# Altium PCB NUCLEOG431RB-Custom-IN-A2212.PcbDoc (part 4 of 5)
Units mm, origin at the board's own origin, x right, y up, seen from the top; angles counter-clockwise.
Board outline 170 x 108 mm, 4 copper layers (Top Layer, POWER1, POWER2, Bottom Layer), stack 1.746 mm thick; 529 components, 254 nets, 1242 pads, 583 vias.
Unrouted connection lines stored in the file: 26.
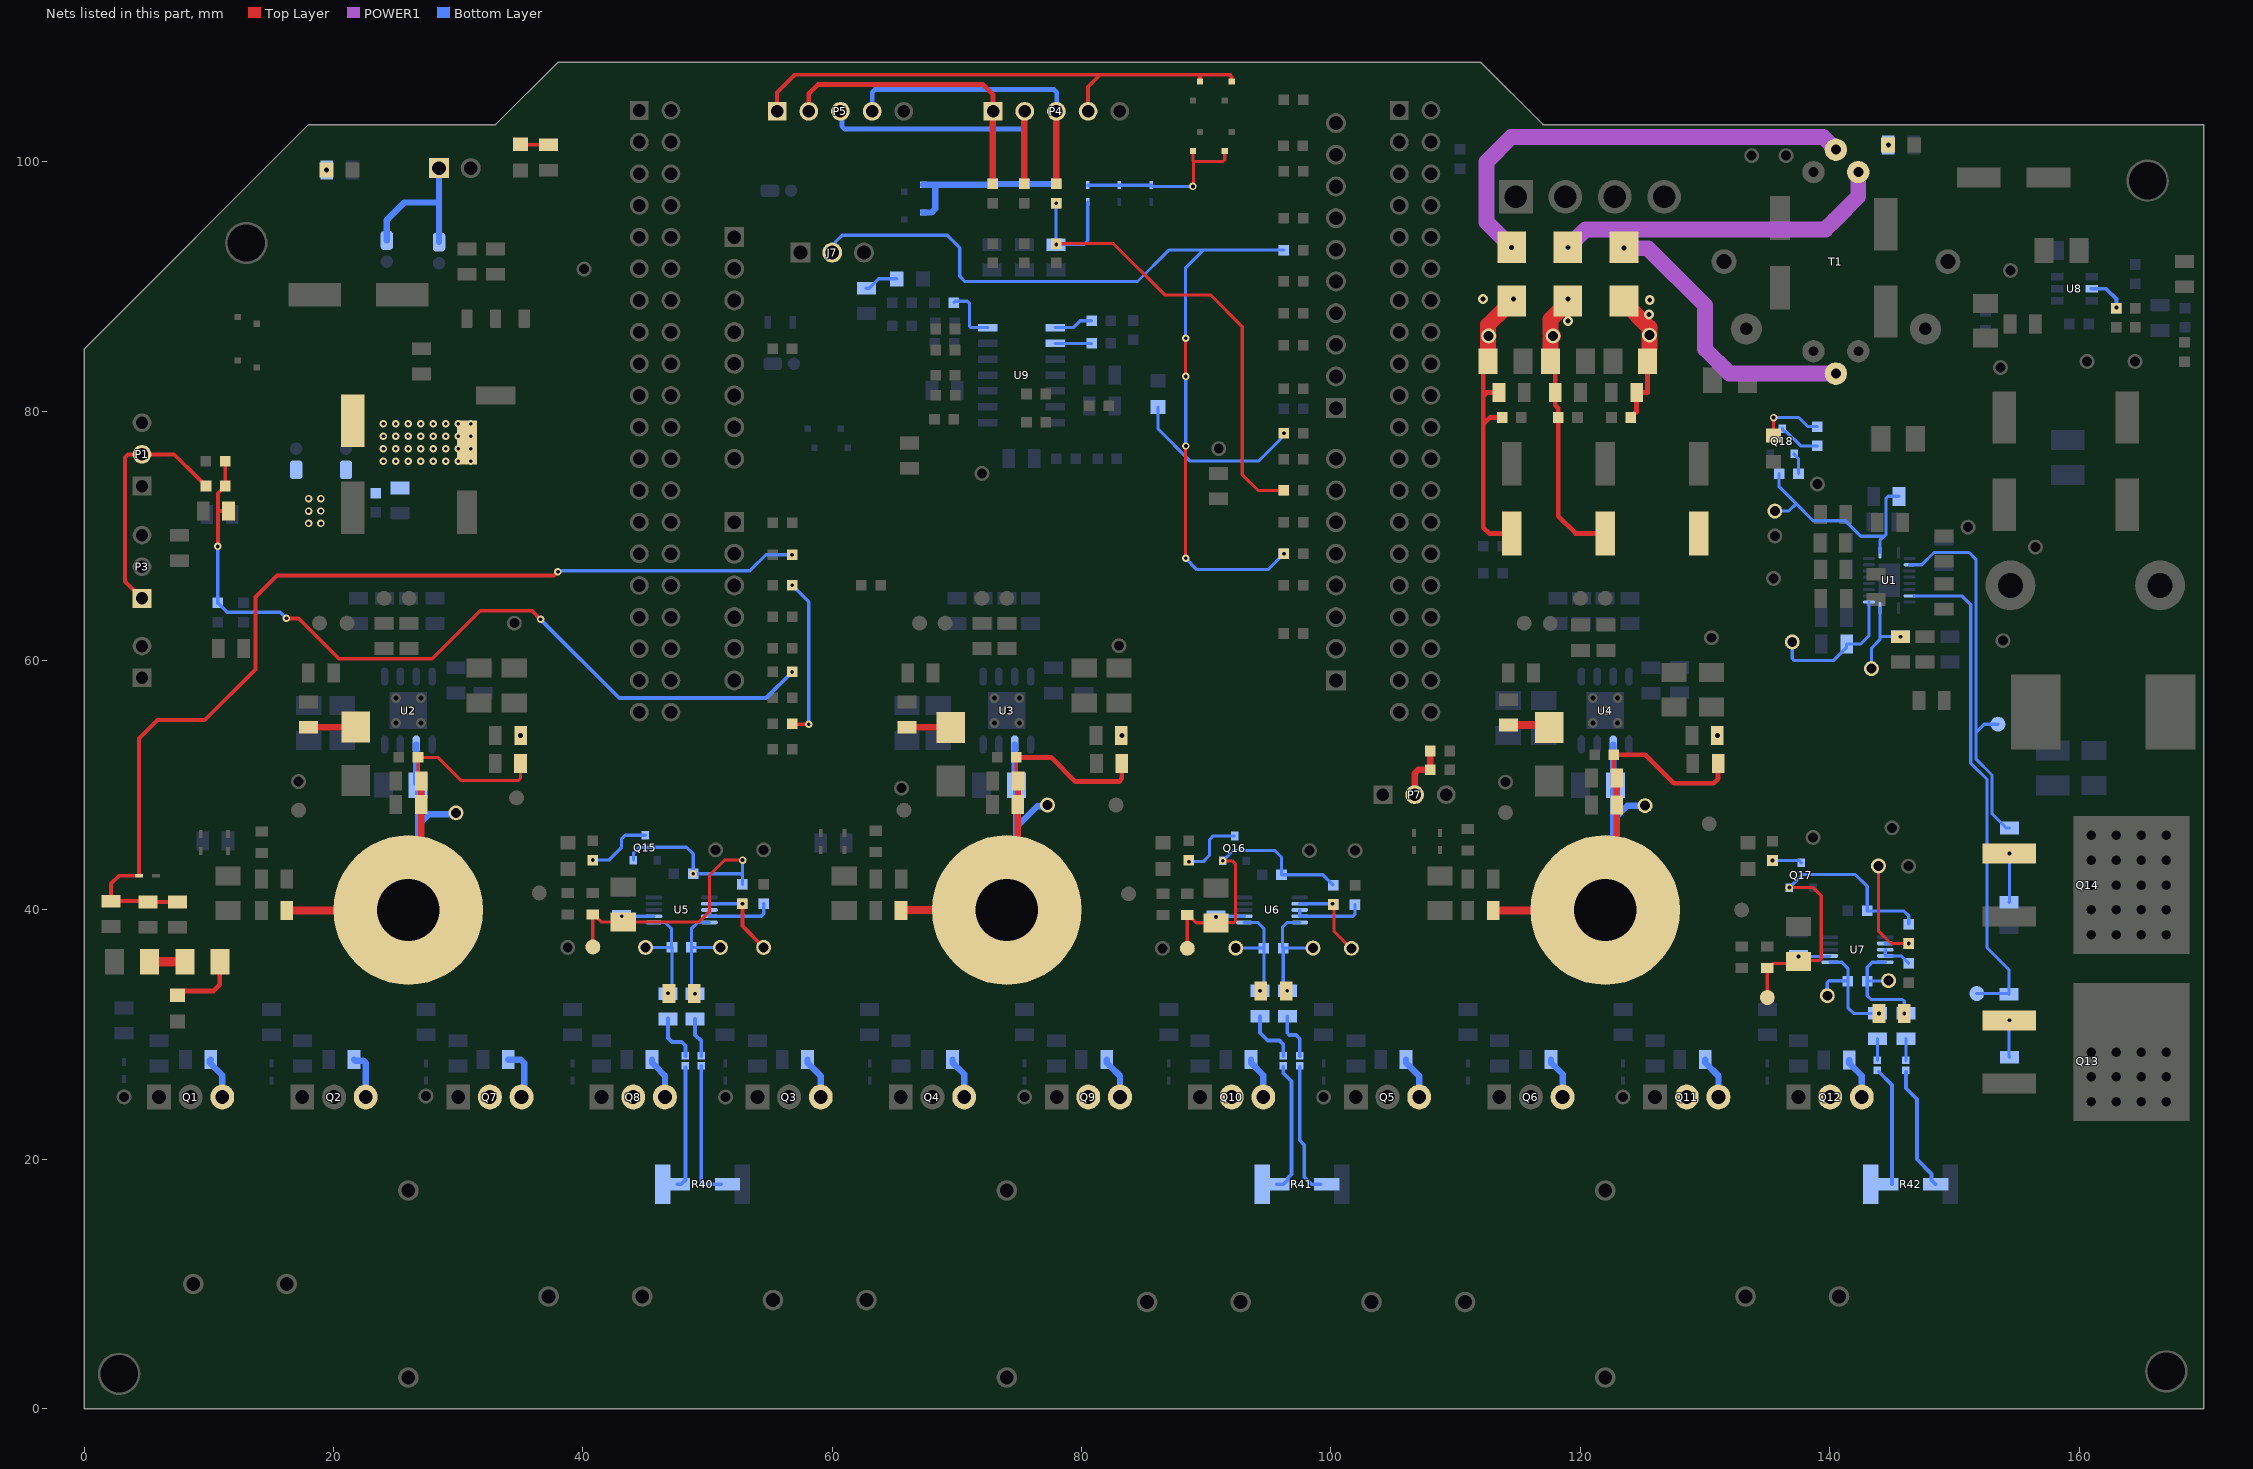
[diagram p6: the nets of this part, all layers, seen from the top]

## Via types
v1: diameter 0.6, hole 0.3, Top Layer to Bottom Layer, tented both sides, 389 vias
v2: diameter 0.8, hole 0.4, Top Layer to Bottom Layer, tented both sides, 190 vias
v3: diameter 1, hole 0.5, Top Layer to Bottom Layer, tented both sides, 2 vias
v4: diameter 0.762, hole 0.406, Top Layer to Bottom Layer, tented both sides, 2 vias

## Nets (pads, with @x,y where several pads share a name; then routed paths per layer and width w, separated by ;. In a path a pad name is that pad's centre, name@x,y a point inside that pad or via, vN(x,y) a via of type N, cw(c..) or ccw(c..) an arc to the next point about the centre after c; other vN are vias at no path point) (continued)
NetD20_2: D20.2 R78.2 | length 3.8
  Top Layer w0.508: R78.2@18,54.65 21.751,54.65 D20.2@21.777,54.677
NetD21_2: D21.2 R83.2 | length 3.5
  Top Layer w0.508: R83.2@66,54.65 D21.2@69.5,54.65
NetD22_2: D22.2 R88.2 | length 3.4
  Top Layer w0.508: D22.2@117.296,54.854 D22.2@117.5,54.65
  Top Layer w0.635: R88.2@114.222,54.864 114.224,54.863 114.705,54.863 114.714,54.854 D22.2@117.296,54.854
NetD23_2: D23.2 T1.5 | length 37
  POWER1 w1.27: v2(114.5,93.15) 112.485,95.165 112.485,100.019 114.466,102 139.48,102 T1.5@140.5,100.98
NetD24_1: D24.1 D25.1 D26.1 SB17.1 SB18.1 | length 14.6
  Top Layer w0.254: v1(88.93,98.034) 88.974,98.078 88.974,100.031 ; SB17.1@88.943,100.881 88.943,100.062 88.974,100.031 ; SB18.1@91.483,100.881 91.483,100.18 91.334,100.031 88.974,100.031
  Bottom Layer w0.254: D26.1@80.5,98.136 D25.1@83.022,98.136 D24.1@85.58,98.136 85.682,98.034 v1(88.93,98.034)
NetD27_2: D27.2 T1.2 | length 23.2
  POWER1 w1.27: v2(123.5,93.078) 125.422,93.078 130,88.5 130,85 131.98,83.02 T1.2@140.5,83.02
NetD28_2: D28.2 T1.4 | length 26.9
  POWER1 w1.27: v2(119,93.15) 120.438,94.588 139.655,94.588 140.399,95.332 142.296,97.23 T1.4@142.296,99.184
NetEN_1: EN.1 R58.1 R60.2 U1.1 | length 6.8
  Bottom Layer w0.254: EN.1@143.346,59.358 143.346,60.976 144.03,61.66 144.03,61.838 ; U1.1@144.03,64.22 144.03,62.016 144.03,61.838 ; v1(145.678,61.924) 144.116,61.924 144.03,61.838
NetHO_1: HO.1 R56.1 U1.18 | length 40
  Bottom Layer w0.254: U1.18@146.753,65.195 150.605,65.195 151.324,64.476 151.324,51.782 152.619,50.487 152.619,36.981 154.389,35.211 R56.1@154.389,33.245 154.334,33.3 HO.1@151.8,33.3
NetJ7_2: J7.2 R133.2 R134.2 R135.2 | length 75.2
  Top Layer w0.254: v1(88.347,68.204) 88.347,77.196 v1(88.367,77.216) ; v1(88.347,82.794) v1(88.347,85.849) ; v1(96.225,68.57) R135.2@96.225,68.584
  Bottom Layer w0.254: J7.2@60,92.729 60.258,92.986 60.258,93.585 60.787,94.114 69.221,94.114 70.228,93.108 70.228,90.817 70.63,90.414 71.2,90.414 84.485,90.414 87.001,92.93 89.767,92.93 ; v1(88.347,68.204) 89.251,67.3 94.955,67.3 v1(96.225,68.57) ; v1(88.347,82.794) 88.357,82.784 88.357,77.225 v1(88.367,77.216) ; v1(88.347,85.849) 88.347,91.51 89.767,92.93 ; R133.2@96.225,92.93 89.767,92.93
NetJ8_1: J8.1 SB11.1 SB12.1 | length 12.3
  Bottom Layer w0.508: SB12.1@24.27,93.7 24.27,93.923 24.27,95.343 25.675,96.748 28.46,96.748 ; SB11.1@28.46,93.572 28.46,93.7 28.46,96.748 ; J8.1@28.46,99.5 28.46,96.748
NetLED4_2: LED4.2 R136.2 | length 14
  Top Layer w0.254: R136.2@96.19,78 96.19,78.209 v1(96.225,78.244)
  Bottom Layer w0.254: LED4.2@86.13,80.338 86.13,78.594 88.724,76 94.19,76 v1@96.19,78
NetLED_3.3V_2: LED_3.3V.2 R186.2 | length 2.3
  Top Layer w0.305: LED_3.3V.2@34.978,101.408 35.012,101.374 R186.2@37.228,101.374
NetLED_5V_2: LED_5V.2 R188.2 | length 0
  Bottom Layer w0.254: v2(19.428,99.358) R188.2@19.462,99.358
NetLED_15V_2: LED_15V.2 R185.2 | length 0
  Top Layer w0.254: LED_15V.2@144.678,101.358 v2(144.712,101.358)
NetLED_60V_2: LED_60V.2 R183.1 | length 5.6
  Top Layer w0.381: LED_60V.2@7.478,33.158 7.827,33.507 10.377,33.507 10.875,34.005 R183.1@10.875,35.858
NetLED_BKIN_2: LED_BKIN.2 R187.2 | length 2.8
  Bottom Layer w0.254: R187.2@62.728,89.874 62.982,89.874 63.732,90.624 65.162,90.624 LED_BKIN.2@65.178,90.608
NetLO_1: LO.1 R63.1 U1.13 | length 30.8
  Bottom Layer w0.254: U1.13@146.405,67.695 147.397,67.695 148.372,68.67 151.186,68.67 151.73,68.126 151.73,54.23 ; LO.1@153.5,54.9 152.4,54.9 151.73,54.23 ; R63.1@154.421,46.572 154.167,46.572 153.025,47.714 153.025,50.824 151.73,52.119 151.73,54.23
NetP1_2: P1.2 P3.1 R149.2 | length 19.5
  Top Layer w0.305: P3.1@4.638,64.992 3.273,66.357 3.273,76.298 3.518,76.543 P1.2@4.638,76.543 7.228,76.543 9.077,74.695 R149.2@9.768,74.003
NetP4_1: P4.1 P5.2 R142.2 | length 24
  Top Layer w0.381: P5.2@58.12,104.06 58.12,105.483 58.84,106.202 72.1,106.202 72.9,105.402 P4.1@72.9,104.06
  Top Layer w0.508: R142.2@72.88,98.236 72.88,104.04 P4.1@72.9,104.06
NetP4_2: P4.2 P5.3 R143.2 | length 23.4
  Top Layer w0.381: P4.2@75.226,104.274 P4.2@75.44,104.06
  Top Layer w0.508: R143.2@75.407,98.236 75.407,104.027 P4.2@75.44,104.06
  Bottom Layer w0.381: P5.3@60.66,104.06 60.776,103.944 60.776,102.857 60.999,102.634 75.183,102.634 75.407,102.857 75.407,104.027 P4.2@75.44,104.06
NetP4_3: P4.3 P5.4 R144.2 | length 24
  Top Layer w0.381: P5.4@63.2,104.06 P5.4@63.324,104.184
  Top Layer w0.508: R144.2@77.96,98.236 77.96,104.04 P4.3@77.98,104.06
  Bottom Layer w0.381: P5.4@63.2,104.06 63.2,105.578 63.423,105.801 77.781,105.801 78.004,105.578 78.004,104.084 P4.3@77.98,104.06
NetP4_4: P4.4 P5.1 SB19.2 SB20.2 | length 42.9
  Top Layer w0.305: P5.1@55.58,104.06 55.58,105.58 57,107 81.496,107 ; P4.4@80.52,104.06 80.52,106.024 81.496,107 ; SB20.2@89.502,106.456 89.502,107 ; SB19.2@92.042,106.456 92.042,106.821 91.863,107 89.502,107 ; 81.496,107 89.502,107
NetP7_2: P7.2 R189.2 R190.2 | length 4.7
  Top Layer w0.508: P7.2@106.71,49.176 106.71,50.952 107.008,51.25 R189.2@107.975,51.25 R190.2@107.975,52.75
NetPGD_1: PGD.1 R61.2 R175.1 U1.10 | length 18.9
  Bottom Layer w0.254: PGD.1@135.5,72 PGD.1@135.5,72.128 ; PGD.1@135.6,72 136.727,72 137.308,72.581 ; R175.1@135.95,75 135.95,73.938 137.308,72.581 ; U1.10@144.03,68.67 144.03,69.643 144.364,69.977 ; R61.2@145.564,73.184 144.679,73.184 144.53,73.035 144.53,70.143 144.364,69.977 ; 137.308,72.581 138.665,71.223 141.262,71.223 142.508,69.977 144.364,69.977
NetPGD_LED_2: PGD_LED.2 R176.1 | length 5.3
  Top Layer w0.254: PGD_LED.2@135.5,78.05 v1(135.5,79.5)
  Bottom Layer w0.254: v1(135.5,79.5) 137.509,79.5 138.234,78.775 R176.1@139,78.775
NetQ7_3: Q7.3 Q8.3 R31.1 R32.1 R40.1 | length 7.6
  Bottom Layer w0.508: R31.1@34.016,28 35.002,28 35.3,27.702 35.3,25.22 Q7.3@35.08,25 ; R32.1@45.546,28 45.546,27.746 45.8,27.492 46.58,26.712 Q8.3@46.58,25
NetQ9_3: Q9.3 Q10.3 R33.1 R34.1 R41.1 | length 6.9
  Bottom Layer w0.508: R33.1@82.016,28 82.016,27.746 82.27,27.492 83.08,26.682 Q9.3@83.08,25 ; R34.1@93.585,28 93.585,27.746 94.58,26.751 Q10.3@94.58,25
NetQ11_3: Q11.3 Q12.3 R35.1 R36.1 R42.1 | length 6.8
  Bottom Layer w0.508: R35.1@130.016,28 130.016,27.746 131.08,26.682 Q11.3@131.08,25 ; R36.1@141.559,27.968 141.559,27.714 142.58,26.693 Q12.3@142.58,25
NetQ13_1: Q13.1 R56.2 R57.2 | length 3.1
  Bottom Layer w0.254: R56.2@154.39,31.213 154.421,31.181 v1(154.421,31.147) 154.396,31.123 154.396,28.21 R57.2@154.416,28.19 ; R56.2@154.396,31.213 154.414,31.231 R56.2@154.41,31.234
NetQ14_1: Q14.1 R63.2 R66.2 | length 4
  Bottom Layer w0.254: R66.2@154.4,40.616 154.421,40.637 154.421,44.435 R63.2@154.441,44.456 ; R63.2@154.421,44.456 v1(154.421,44.54) R63.2@154.421,44.456
NetQ15_3: Q15.3 R95.2 | length 5.4
  Bottom Layer w0.254: v1(40.788,44) 42.077,44 43.108,45.032 43.108,45.7 43.408,46 Q15.3@45,46
NetQ16_3: Q16.3 R99.2 | length 5.3
  Bottom Layer w0.254: v1(88.61,43.877) 89.754,43.877 90.262,44.385 90.262,45.645 90.559,45.942 Q16.3@92.275,45.942
NetQ17_3: Q17.3 R103.2 | length 2.4
  Bottom Layer w0.254: v1(135.413,43.967) 137.548,43.967 Q17.3@137.721,43.794
NetQ18_1: Q18.1 R175.2 | length 1.7
  Bottom Layer w0.254: Q18.1@137.15,76.596 137.15,76.546 137.5,76.196 R175.2@137.5,75
NetQ18_3: Q18.3 R176.2 | length 3.4
  Bottom Layer w0.254: Q18.3@136.2,78.596 136.2,78.546 136.373,78.373 136.527,78.373 137.675,77.225 R176.2@139,77.225
NetR37_2: R37.2 RJ1.1 | length 4
  Bottom Layer w0.305: R37.2@46.832,31.298 46.832,29.72 47.138,29.414 47.925,29.414 48.225,29.114 RJ1.1@48.225,28.292
NetR38_2: R38.2 RJ2.1 | length 4.5
  Bottom Layer w0.305: R38.2@94.312,31.484 94.312,30.149 94.937,29.524 95.873,29.524 96.173,29.224 RJ2.1@96.173,28.3
NetR39_2: R39.2 RJ3.1 | length 1.7
  Bottom Layer w0.254: RJ3.1@143.827,27.932 R39.2@143.826,29.674
NetR40_3: R40.3 RJ1.2 | length 9.8
  Bottom Layer w0.305: R40.3@47.594,18 47.877,18 48.225,18.348 RJ1.2@48.225,27.387
NetR40_4: R40.4 RJ4.2 | length 11
  Bottom Layer w0.305: RJ4.2@49.5,27.492 49.5,18.179 49.679,18 R40.4@51.094,18
NetR41_3: R41.3 RJ2.2 | length 10.5
  Bottom Layer w0.305: R41.3@95.673,18 96.189,18 96.537,18.348 96.537,18.494 96.841,18.799 96.841,26.259 96.173,26.927 RJ2.2@96.173,27.395
NetR41_4: R41.4 RJ5.2 | length 10.5
  Bottom Layer w0.305: RJ5.2@97.5,27.395 97.5,21.525 97.851,21.174 97.851,18.602 98.452,18 R41.4@99.173,18
NetR42_3: R42.3 RJ3.2 | length 9.5
  Bottom Layer w0.305: RJ3.2@143.931,27.027 145,25.958 R42.3@145,18
NetR42_4: R42.4 RJ6.2 | length 10
  Bottom Layer w0.305: RJ6.2@146.115,27.027 146.115,26.344 146.115,25.704 146.994,24.825 146.994,20.006 148.174,18.826 148.174,18.326 R42.4@148.5,18
NetR43_2: R43.2 RJ4.1 | length 3.2
  Bottom Layer w0.305: R43.2@49,31.254 49,29.984 49.5,29.484 RJ4.1@49.5,28.292
NetR44_2: R44.2 RJ5.1 | length 3.9
  Bottom Layer w0.305: R44.2@96.5,31.484 96.5,30.155 96.679,29.976 97.2,29.976 97.5,29.676 RJ5.1@97.5,28.3
NetR45_2: R45.2 RJ6.1 | length 1.7
  Bottom Layer w0.254: RJ6.1@146.115,27.932 R45.2@146.115,29.674
NetR64_2: R64.2 SS.1 U1.2 | length 11.2
  Bottom Layer w0.254: SS.1@137,61.5 137,60.171 137.171,60 140.283,60 141.363,61.08 R64.2@141.363,61.334 142.49,61.334 143.155,61.999 U1.2@143.155,64.695
NetR71_1: R71.1 R75.2 U8.5 | length 3.1
  Top Layer w0.305: R75.2@163,88.275 v1(163,88.328)
  Bottom Layer w0.305: U8.5@161.012,89.825 162.175,89.825 163,89 v1(163,88.328)
NetR94_2: R94.2 R96.2 TP42.1 U5.7 | length 6.9
  Top Layer w0.305: R94.2@52.792,40.5 52.792,38.708 TP42.1@54.5,37
  Bottom Layer w0.305: U5.7@50.15,40.5 52.775,40.5 v1(52.808,40.5)
NetR98_2: R98.2 R100.2 TP50.1 U6.7 | length 6.8
  Top Layer w0.254: R98.2@100.175,40.442 100.253,40.364 100.253,38.272 101.599,36.926 TP50.1@101.639,36.926
  Bottom Layer w0.254: U6.7@97.5,40.5 v1(100.118,40.5) R100.2@100.175,40.442
NetR102_2: R102.2 R104.2 TP58.1 U7.7 | length 9.9
  Top Layer w0.254: TP58.1@143.911,43.54 143.911,38.327 144.923,37.316 R102.2@146.329,37.316
  Bottom Layer w0.254: U7.7@144.465,37.314 v1(146.342,37.313) R104.2@146.344,37.316
NetR139_2: R139.2 R140.2 R141.2 SB15.1 SB16.1 | length 13.7
  Bottom Layer w0.508: SB15.1@67.295,95.938 67.965,95.938 68.262,96.236 68.262,98.169 ; SB16.1@67.295,98.169 68.262,98.169 ; R141.2@77.96,98.236 R140.2@75.407,98.236 R139.2@72.88,98.236 72.738,98.236 72.738,98.198 72.709,98.169 68.262,98.169
NetR152_1: R152.1 U5.8 U5.9 | length 6.2
  Bottom Layer w0.305: U5.9@50.15,39.5 U5.9@50.65,39.5 ; U5.8@50.15,40 50.15,39.502 50.152,39.5 U5.9@50.65,39.5 ; R152.1@54.5,40.5 54.5,39.703 54.297,39.5 U5.9@50.65,39.5
NetR153_1: R153.1 U6.8 U6.9 | length 5.8
  Bottom Layer w0.254: U6.8@97.5,40 U6.9@97.5,39.5 101.773,39.5 101.921,39.649 R153.1@101.921,40.436
NetR154_1: R154.1 U7.8 U7.9 | length 2.6
  Bottom Layer w0.254: U7.8@144.465,36.814 U7.9@144.465,36.314 145.739,36.313 R154.1@146.329,35.724
NetR168_2: R168.2 U9.1 | length 3.1
  Bottom Layer w0.254: U9.1@77.884,86.709 79.339,86.709 79.889,87.259 R168.2@80.801,87.259
NetR169_2: R169.2 U9.2 | length 2.9
  Bottom Layer w0.254: U9.2@77.884,85.439 80.791,85.439 R169.2@80.801,85.449
NetR170_2: R170.2 U9.14 | length 4.7
  Bottom Layer w0.254: R170.2@69.755,88.719 69.857,88.821 70.851,88.821 71,88.672 71,86.858 71.149,86.709 U9.14@72.484,86.709
NetR183_2: R183.2 R184.1 | length 2.9
  Top Layer w0.762: R184.1@5.228,35.858 R183.2@8.081,35.858
OPAMP_Supply: C89.2 C90.1 C92.2 C93.1 C95.2 C96.1 C116.1 C117.2 C118.2 C119.2 Q15.2 Q16.2 Q17.2 R93.2 R96.1 R97.2 R100.1 R101.2 R104.1 SB5.1 SB7.1 SB9.1 SB23.1 SB24.1 TP38.1 TP46.1 TP54.1 U5.2 U6.2 U7.2 | length 91.8
  Top Layer w0.254: TP38.1@40.797,37.04 SB5.1@40.797,39.643 ; v1(52.808,44) 51.358,44 50.163,42.806 50.163,39.897 49.298,39.031 C90.1@43.226,39.031 41.51,39.031 SB5.1@40.898,39.643 ; TP46.1@88.48,36.926 SB7.1@88.48,39.585 88.76,39.306 88.861,39.306 89.193,38.974 C93.1@90.775,38.974 ; v1(90.775,39.442) C93.1@90.775,38.974 ; v1(91.325,43.942) 92.071,43.942 92.355,43.658 92.355,39.149 92.206,39 90.802,39 C93.1@90.775,38.974 ; TP54.1@135,32.974 SB9.1@135,35.351 135.102,35.351 135.45,35.7 137.32,35.7 C96.1@137.5,35.88 137.569,35.948 139.18,35.948 139.329,36.097 139.329,41.154 138.689,41.794 v1(136.771,41.794) ; SB5.1@40.797,39.643 SB5.1@40.898,39.643 ; SB5.1@40.797,39.643 SB5.1@40.898,39.643
  Bottom Layer w0.254: v1(43.108,39.5) U5.2@45.7,39.5 ; Q15.2@44.05,44 44.05,44.562 44.52,45.032 48.313,45.032 48.845,44.5 v1(48.845,42.9) 52.643,42.9 52.792,42.751 R96.1@52.792,42.05 52.808,42.066 v1(52.808,44) ; v1(90.775,39.442) 90.833,39.5 U6.2@93.05,39.5 ; Q16.2@91.548,44.165 92.15,44.767 95.5,44.767 96.031,44.237 R97.2@96.031,42.822 99.346,42.822 R100.1@100.175,41.992 ; Q17.2@136.994,42.017 137.821,42.845 142.064,42.845 143.015,41.894 R101.2@143.015,39.923 145.95,39.923 146.344,39.529 R104.1@146.344,38.866 ; v1(137.5,36.265) 139.966,36.265 U7.2@140.015,36.314
  other v1: 18,71 18.993,71.001 18,72 18.993,72.001 18,73 18.993,73.001 24,76 24.993,76.001 26,76 27,76 28,76 28.993,76.001 30,76 31,76 24,77 24.993,77.001 26,77 27,77 28,77 28.993,77.001 30,77 31,77 24,78 24.993,78.001 26,78 27,78 28,78 28.993,78.001 30,78 31,78 24,79 24.993,79.001 26,79 27,79 28,79 28.993,79.001 30,79 31,79
PH_U: C49.2 C50.2 C51.2 C56.2 Q1.3 Q2.3 Q7.2 Q8.2 R13.1 R14.1 R51.1 R164.1 T2.1 TP12.1 U2.6 | length 57.1
  Top Layer w0.254: C51.2@27.023,50.356 26.775,50.604 C56.2@26.775,52.238 28.373,52.238 30.212,50.399 34.845,50.399 34.994,50.548 R164.1@34.994,51.754
  Top Layer w0.508: T2.1@26,40 27.023,41.023 C50.2@27.023,48.458 C51.2@27.023,50.356
  Top Layer w0.635: R51.1@16.256,39.95 25.95,39.95 T2.1@26,40
  Bottom Layer w0.508: R13.1@10.153,28 10.078,27.925 10.078,27.746 11.08,26.744 Q1.3@11.08,25 ; R14.1@21.641,28 21.729,27.912 22.401,27.912 22.58,27.733 Q2.3@22.58,25 ; T2.1@26,40 26.794,40.794 26.794,46.8 ; U2.6@26.635,53.275 26.635,50.159 C49.2@26.794,50 26.794,46.8 ; TP12.1@29.818,47.692 27.686,47.692 26.794,46.8
PH_V: C65.2 C66.2 C68.2 C69.2 Q3.3 Q4.3 Q9.2 Q10.2 R15.1 R16.1 R52.1 R172.1 T3.1 TP21.1 U3.6 | length 55.5
  Top Layer w0.254: C69.2@74.772,52.238 74.772,52.222 74.754,52.205 74.754,50.506 C66.2@74.904,50.356
  Top Layer w0.381: C69.2@74.772,52.238 77.564,52.238 79.502,50.3 83.004,50.3 83.227,50.523 R172.1@83.227,51.754
  Top Layer w0.508: T3.1@74,40 74.89,40.89 C68.2@74.89,48.458 74.897,48.465 74.897,50.349 C66.2@74.904,50.356
  Top Layer w0.635: R52.1@65.516,39.95 65.566,40 T3.1@74,40
  Bottom Layer w0.508: R15.1@58.016,28 58.016,27.746 59.08,26.682 Q3.3@59.08,25 ; R16.1@69.647,28 69.647,27.746 70.58,26.813 Q4.3@70.58,25 ; T3.1@74,40 74.762,40.762 74.762,46.625 ; U3.6@74.635,53.275 74.635,50.127 C65.2@74.762,50 74.762,46.625 ; TP21.1@77.258,48.412 77.157,48.311 76.448,48.311 74.762,46.625
PH_W: C78.2 C79.2 C81.2 C82.2 Q5.3 Q6.3 Q11.2 Q12.2 R17.1 R18.1 R53.1 R174.1 T4.1 TP30.1 U4.6 | length 55.3
  Top Layer w0.305: C79.2@122.691,51.141 C82.2@122.691,52.451
  Top Layer w0.381: C82.2@122.691,52.451 125.205,52.451 127.49,50.166 130.701,50.166 131.052,50.517 R174.1@131.052,51.5
  Top Layer w0.508: T4.1@122,40 122.932,40.932 C81.2@122.932,48.405 C79.2@122.932,50.59
  Top Layer w0.635: R53.1@113.016,39.95 121.95,39.95 T4.1@122,40
  Bottom Layer w0.508: R17.1@106.016,28 106.016,27.746 107.08,26.682 Q5.3@107.08,25 ; R18.1@117.653,28 117.653,27.746 117.907,27.492 117.915,27.492 118.58,26.827 Q6.3@118.58,25 ; T4.1@122,40 122.635,40.635 122.635,47.217 ; U4.6@122.635,53.275 122.635,50.06 122.805,49.89 122.635,49.72 122.635,47.217 ; TP30.1@125.196,48.362 123.78,48.362 122.635,47.217
SPEED: R137.2 R138.2 | length 13
  Top Layer w0.254: R138.2@56.785,54.935 56.821,54.9 v1(58.112,54.9)
  Bottom Layer w0.254: v1(56.785,66.042) 58.112,64.716 v1(58.112,54.9)
"Temperature Feedback": C105.2 R125.2 R149.1 R150.1 R151.1 | length 65.9
  Top Layer w0.305: v1(10.721,69.161) 10.728,69.169 10.728,71.928 ; R150.1@11.306,75.987 11.312,75.981 11.312,73.997 11.046,73.731 11.033,73.731 10.728,73.425 10.728,71.928 ; C105.2@11.573,71.994 10.794,71.994 10.728,71.928 ; v1(16.219,63.391) 17.204,63.391 20.44,60.155 27.915,60.155 31.764,64.003 35.908,64.003 v1(36.602,63.31) ; v1(56.785,59.093) R125.2@56.785,59.171 ; R125.2@56.785,59.171 56.776,59.18 56.785,59.189 R125.2@56.785,59.171
  Bottom Layer w0.254: R151.1@10.721,64.63 11.473,63.878 15.732,63.878 v1(16.219,63.391)
  Bottom Layer w0.305: R151.1@10.721,64.63 v1(10.721,69.161) ; v1(36.602,63.31) 42.912,57 54.692,57 v1(56.785,59.093)
V_Bus: C13.1 D13.2 R46.2 R47.2 R123.2 | length 82.2
  Top Layer w0.254: v1(56.776,68.489) 56.783,68.489 R123.2@56.785,68.486
  Top Layer w0.305: C13.1@7.5,40.64 R47.2@5.132,40.64 5.062,40.71 R46.2@2.152,40.71 2.152,42.112 2.784,42.744 D13.2@4.405,42.744 4.405,53.764 5.872,55.231 9.673,55.231 13.742,59.3 13.742,65.099 15.464,66.821 37.674,66.821 37.974,67.121 v1(38,67.121)
  Bottom Layer w0.254: v1(38,67.121) 38.066,67.187 38.301,67.187 38.322,67.208 53.403,67.208 53.552,67.357 54.684,68.489 v1(56.776,68.489)
V_Shunt_U_N: C1.2 C88.2 R43.1 TP36.1 U5.10 | length 9.4
  Top Layer w0.254: C1.2@48.941,33.3 48.955,33.286 v1(49,33.286)
  Bottom Layer w0.254: v1(49,33.286) 48.7,33.586 C88.2@48.7,37 ; U5.10@50.15,39 49.2,39 48.7,38.5 C88.2@48.7,37 ; TP36.1@51.025,37 C88.2@48.7,37
V_Shunt_U_P: C1.1 C88.1 R37.1 TP35.1 U5.1 | length 9.2
  Top Layer w0.254: v1(46.832,33.33) 46.879,33.33 C1.1@46.909,33.3
  Bottom Layer w0.254: TP35.1@45.025,37 C88.1@47.15,37 ; U5.1@45.7,39 46.61,39 47.11,38.5 47.11,37.04 C88.1@47.15,37 ; v1(46.832,33.33) 47.15,33.648 C88.1@47.15,37
V_Shunt_V_N: C2.2 C91.2 R44.1 TP44.1 U6.10 | length 9.2
  Bottom Layer w0.254: v1(96.5,33.516) 96.17,33.846 C91.2@96.17,36.942 ; U6.10@97.5,39 96.488,39 96.12,38.631 96.12,36.992 C91.2@96.17,36.942 ; TP44.1@98.559,36.942 C91.2@96.17,36.942
V_Shunt_V_P: C2.1 C91.1 R38.1 TP43.1 U6.1 | length 8.7
  Bottom Layer w0.254: TP43.1@92.364,36.942 C91.1@94.62,36.942 ; U6.1@93.05,39 94.132,39 94.62,38.512 C91.1@94.62,36.942 ; R38.1@94.62,33.823 C91.1@94.62,36.942
  other v1: 94.312,33.516
V_Shunt_W_N: C3.2 C94.2 R45.1 TP52.1 U7.10 | length 9.9
  Bottom Layer w0.254: U7.10@144.465,35.814 143.409,35.814 143.015,35.42 C94.2@143.015,34.299 ; TP52.1@144.726,34.33 144.695,34.299 C94.2@143.015,34.299 ; R45.1@146.115,31.706 145.988,31.706 v1(145.986,31.703) 145.986,32.676 145.837,32.825 143.312,32.825 143.015,33.122 C94.2@143.015,34.299